# Altium PCB OAI_KPA_Digital_part.PcbDoc (part 1 of 3)
Units mil, origin at the board's own origin, x right, y up, seen from the top; angles counter-clockwise.
Board outline 5906.35 x 2551.18 mil, 4 copper layers (Top Layer, Mid-Layer 1, Internal Plane 2, Bottom Layer); 133 components, 173 nets, 617 pads, 278 vias.
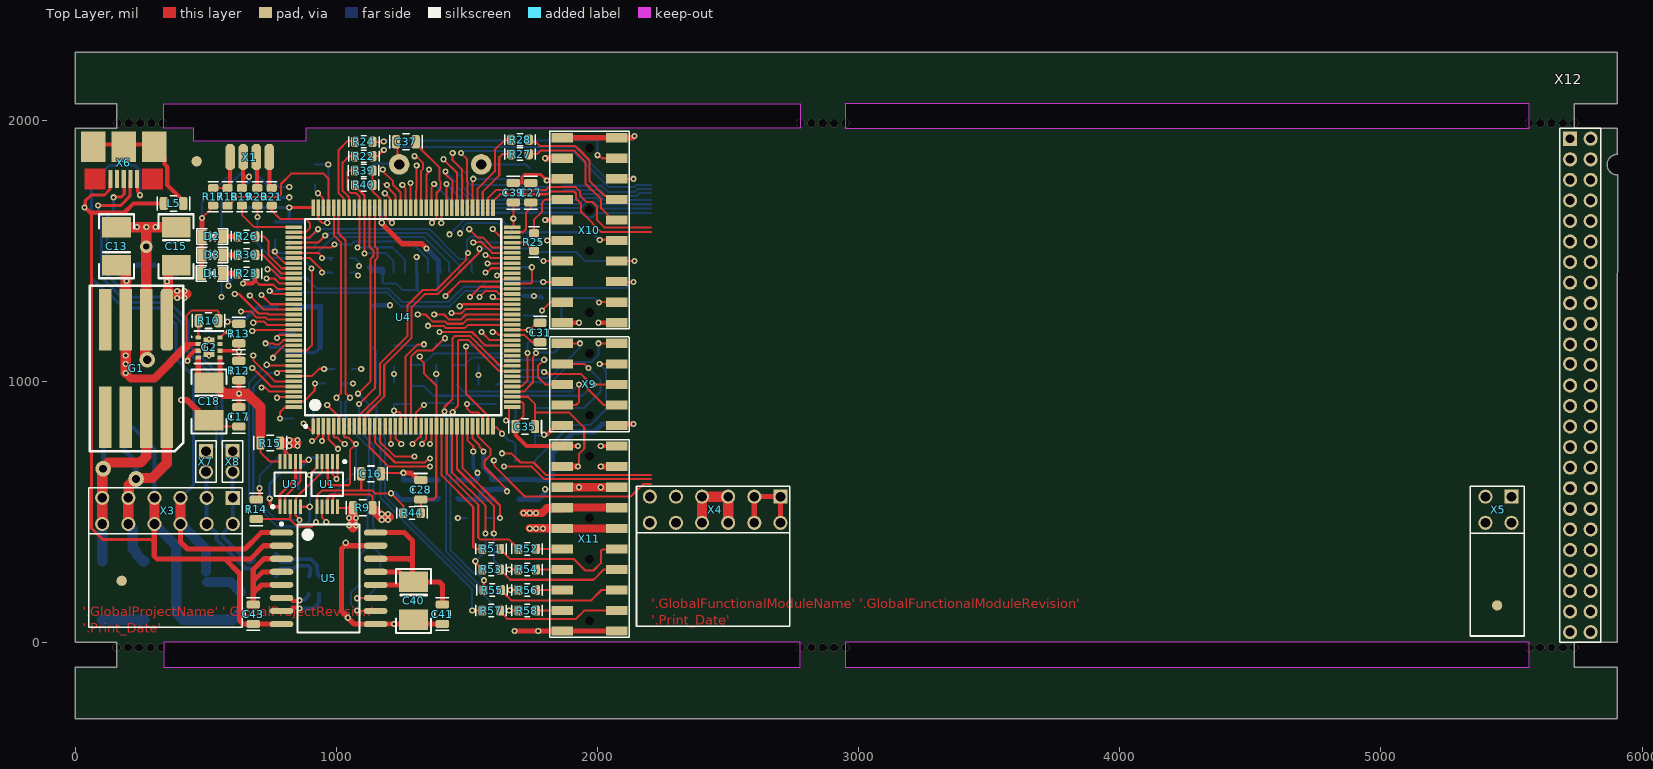
[diagram p0: Top Layer view]
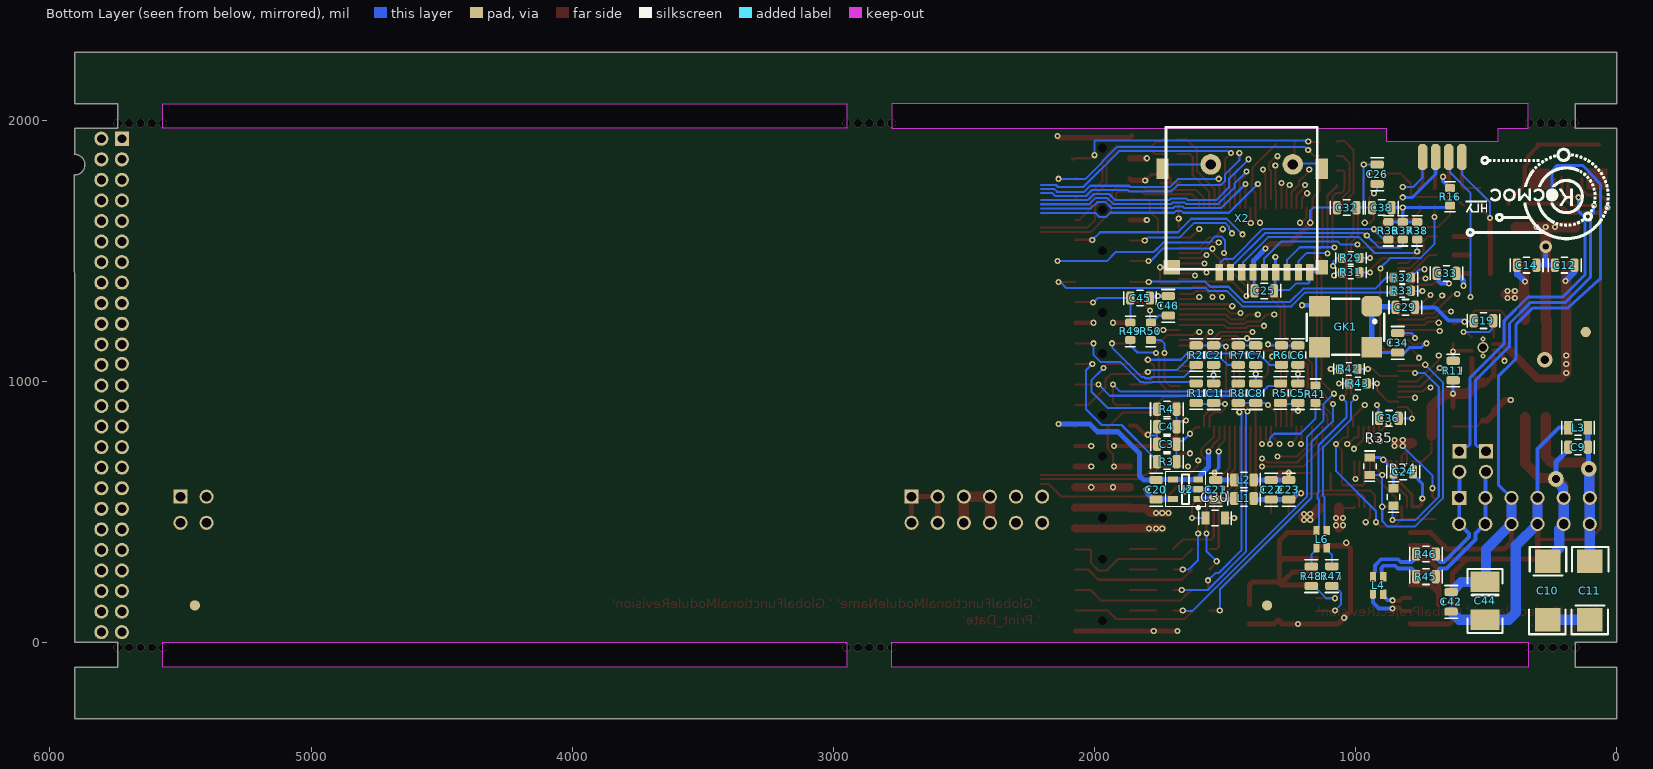
[diagram p1: Bottom Layer view, seen from below]
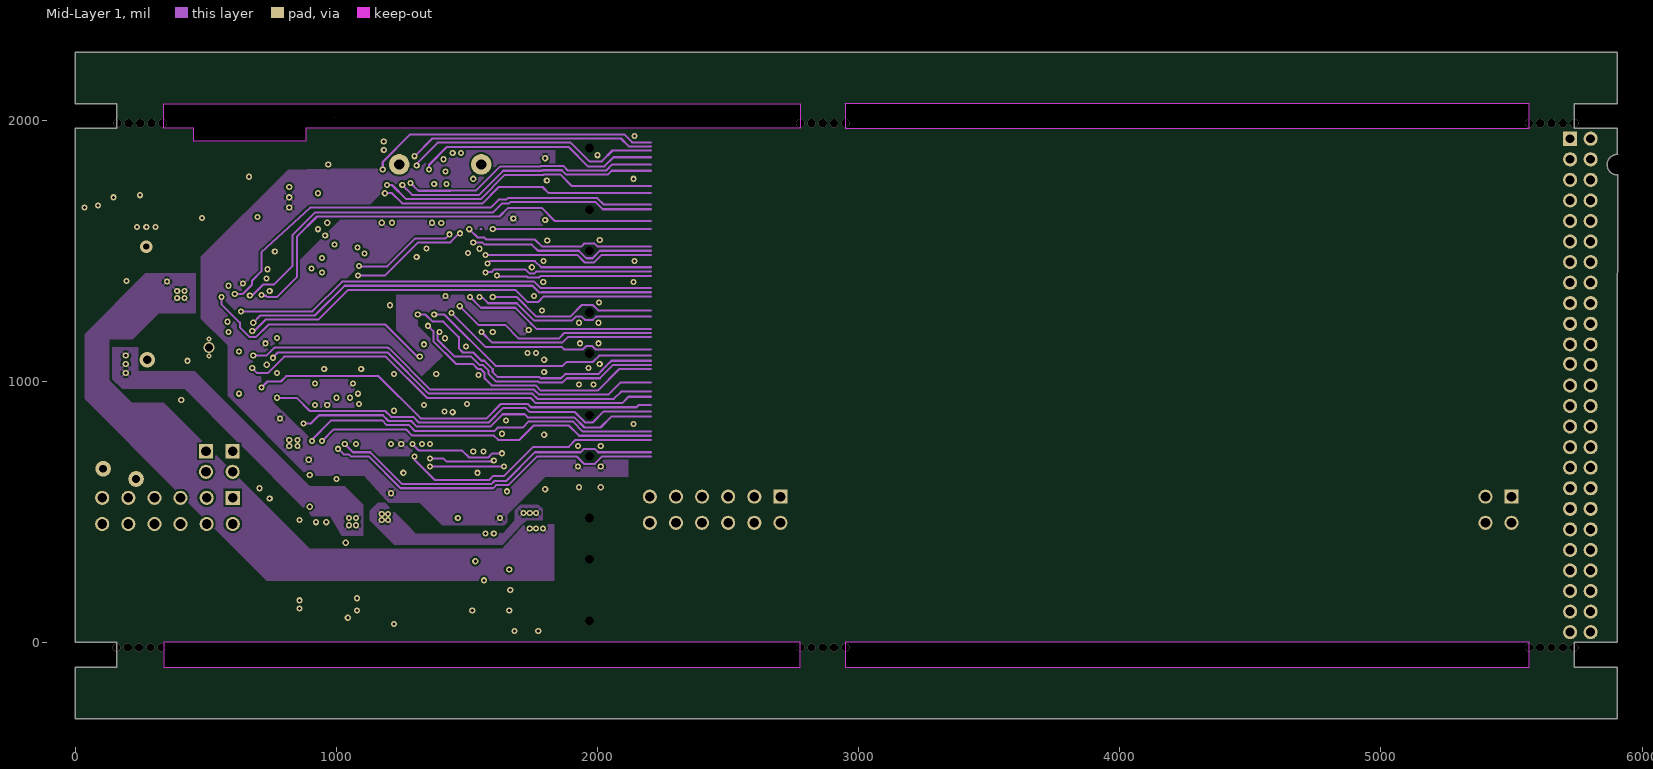
[diagram p2: Mid-Layer 1]
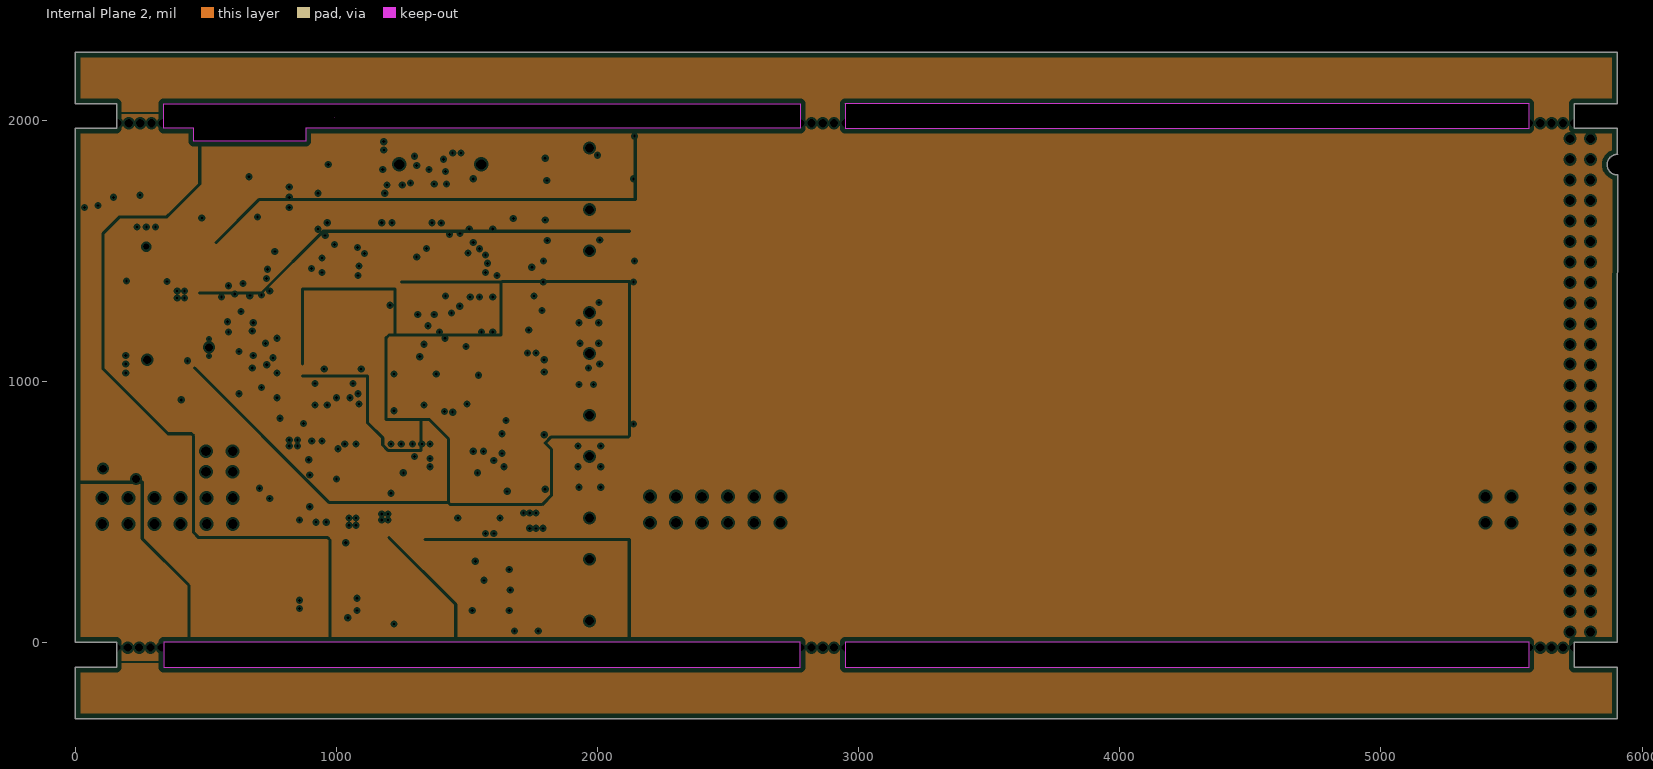
[diagram p3: Internal Plane 2, clearances drawn from the general rule]
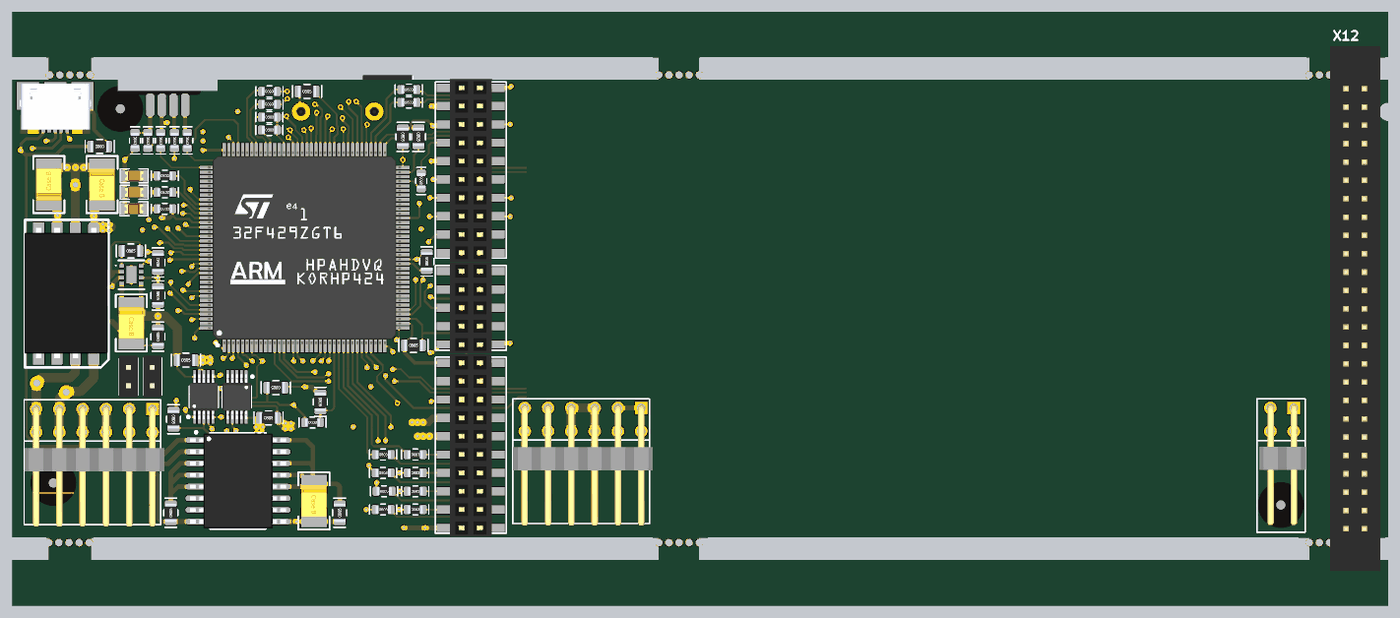
[diagram p6: 3D render of the assembled board from above, using the file's embedded part models]
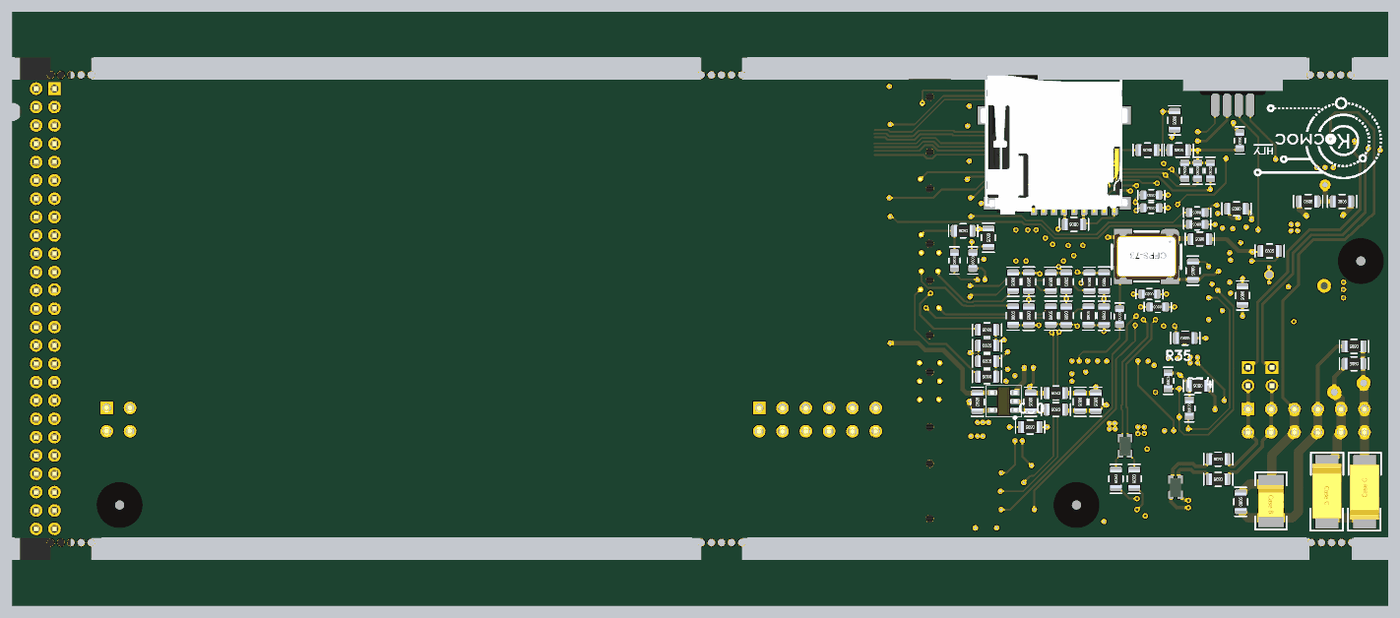
[diagram p7: 3D render of the assembled board from below, using the file's embedded part models]

## Layer stack, top to bottom
Top Solder: solder mask 0.4, Solder Resist, Dk 3.5
Top Layer: signal copper 1.4
Dielectric 1: dielectric 12.6, FR-4, Dk 4.8
Mid-Layer 1: signal copper 1.4
Dielectric3: dielectric 12.6, FR-4, Dk 4.8
Internal Plane 2: plane copper 1.4
Dielectric2: dielectric 12.6, FR-4, Dk 4.8
Bottom Layer: signal copper 1.4
Bottom Solder: solder mask 0.4, Solder Resist, Dk 3.5

## Board outline
0,-291.34 0,-94.49 157.48,-94.49 157.48,0 0,0 0,1968.5 157.48,1968.5 157.48,2062.99 0,2062.99 0,2064.63 0,2259.84 5905.51,2259.84 5905.51,2062.99 5740.16,2062.99 5740.16,1968.5 5748.03,1968.5 5905.51,1968.5 5905.51,1870.02 5906.35,1869.18 ccw(c5905.2,1829.83) 5906.01,1790.47 5905.51,1039.87 5905.51,0 5740.16,0 5740.16,-94.49 5905.51,-94.49 5905.51,-291.34
cut-out: 992.13,2011.81
cut-out: 338.58,2062.99 2775.59,2062.99 2775.59,1968.5 882.76,1968.5 882.76,1918.5 452.76,1918.5 452.76,1968.5 338.58,1968.5
cut-out: 2944.88,2062.99
cut-out: 2948.82,2062.99 2948.82,1968.5 5566.93,1968.5 5566.93,2062.99
cut-out: 338.58,-94.49 2775.59,-94.49 2775.59,0 338.58,0
cut-out: 2948.82,0 2948.82,-94.49 5566.93,-94.49 5566.93,0
cut-out: 5566.93,0

## Design rules (kind name [scope] priority, off if disabled: settings)
Clearance "Clearance ALL" [All] p1: gap=7.87 ignorepadtopadclearanceinfootprint=TRUE
ComponentClearance [All] p1: gap=2 collisioncheckmode=3 verticalgap=2 showdistances=FALSE
DiffPairsRouting [All] p1: maxlimit=118.11 minlimit=7.87 mostfreqgap=9.84 toplayer_minwidth=7.87 toplayer_maxwidth=39.37 toplayer_prefwidth=9.84 midlayer1_minwidth=7.87 midlayer1_maxwidth=39.37 midlayer1_prefwidth=9.84 bottomlayer_minwidth=7.87 bottomlayer_maxwidth=39.37 bottomlayer_prefwidth=9.84 maxuncoupledlength=500
MatchedLengths [InDifferentialPair('No Differential Pair')] p1: tolerance=19.68 checknetsindiffpair=TRUE checkdiffpairvsdiffpair=FALSE checkxsignals=FALSE checkothers=FALSE usedelayunits=FALSE
PlaneClearance [All] p1: clearance=7.87
PlaneConnect [All] p1: planeconnectstyle=Relief reliefexpansion=20 reliefentries=4 reliefconductorwidth=10 reliefairgap=10
PolygonConnect [All] p1: thpad.connectstyle=Relief thpad.reliefconductorwidth=7.87 thpad.reliefentries=4 thpad.polygonreliefangle="90 Angle" thpad.airgapwidth=7.87 smdpad.connectstyle=Relief smdpad.reliefconductorwidth=7.87 smdpad.reliefentries=4 smdpad.polygonreliefangle="45 Angle" smdpad.airgapwidth=7.87 via.connectstyle=Relief via.reliefconductorwidth=7.87 via.reliefentries=4 via.polygonreliefangle="45 Angle" via.airgapwidth=7.87
RoutingVias [All] p1: holewidth=11.81 width=23.62 viastyle="Through Hole" minholewidth=11.81 minwidth=23.62 maxholewidth=39.37 maxwidth=118.11
SolderMaskExpansion [All] p1: expansion=4
Width [All] p1: maxlimit=39.37 minlimit=7.87 preferedwidth=7.87 minimp=50.000000 maximp=50.000000 favimp=50.000000
26 further rules are at their usual default settings.

## Classes and differential pairs
component class USB: C40 C41 C42 C43 C44 L4 L5 L6 R45 R46 R47 R48 U5 X6 X7 X8
component class Power: C9 C10 C11 C12 C13 C14 C15 C16 C17 C18 C19 C20 C21 C22 C23 C24 G1 G2 L1 L2 R9 R10 R11 R12 R13 R14 R15 U1 U2 U3
component class Module_main: X4 X5 X9 X10 X11
component class Digital_module: C25 C26 C27 C28 C29 C30 C31 C32 C33 C34 C35 C36 C37 C38 C39 D1 D2 D3 GK1 L3 R16 R17 R18 R19 R20 R21 R22 R23 R24 R25 R26 R27 R28 R29 R30 R31 R32 R33 R34 R35 R36 R37 R38 R39 R40 R41 R42 R43 R44 U4 X1 X2 X3
component class Device_unit: X12
component class Designator: R51 R52 R53 R54 R55 R56 R57 R58
component class DAC_Filter: C45 C46 R49 R50
component class ADC_Filter: C1 C2 C3 C4 C5 C6 C7 C8 R1 R2 R3 R4 R5 R6 R7 R8
differential pair Out_D_M2: +Out_D_M2_P -Out_D_M2_N
differential pair Out_D_M1: +Out_D_M1_P -Out_D_M1_N
differential pair Out_D_2: +Out_D_2_P -Out_D_2_N
differential pair Out_D_1_MB: +Out_D_1_MB_P -Out_D_1_MB_N
differential pair D_IN_3: +D_IN_3_P -D_IN_3_N
differential pair D_IN_2: +D_IN_2_P -D_IN_2_N
differential pair D_IN_1: +D_IN_1_P -D_IN_1_N

## Components (designator, comment, footprint, x,y, rotation, side; value= is the part's Value field where it differs from the comment)
C1 "200пФ" SMD_0805#1 1543.31,992.13 r270 bottom value=0,1мкФ
C2 "200пФ" SMD_0805#1 1543.31,1062.99 r90 bottom value=0,1мкФ
C3 "200пФ" SMD_0805#1 1759.84,759.43 r180 bottom value=0,1мкФ
C4 "200пФ" SMD_0805#1 1759.84,826.36 r180 bottom value=0,1мкФ
C5 "200пФ" SMD_0805#1 1220.47,992.13 r270 bottom value=0,1мкФ
C6 "200пФ" SMD_0805#1 1220.47,1062.99 r90 bottom value=0,1мкФ
C7 "200пФ" SMD_0805#1 1381.89,1062.99 r90 bottom value=0,1мкФ
C8 "200пФ" SMD_0805#1 1381.89,992.13 r270 bottom value=0,1мкФ
C9 "0,1мкФ" SMD_0805#1 110.24,748.03 r0 bottom
C10 "10мкФх50В" SMD_size_C 263.78,311.02 r270 bottom
C11 "10мкФх50В" SMD_size_C 102.36,86.61 r90 bottom
C12 "0,22мкФ" SMD_0805#1 236.22,1444.88 r180 bottom value=0,1мкФ
C13 "10мкФ 16В" SMD_size_B 157.48,1444.88 r90 top value=10мкФх50В
C14 "0,22мкФ" SMD_0805#1 381.89,1444.88 r180 bottom value=0,1мкФ
C15 "10мкФ 16В" SMD_size_B 385.83,1589.88 r270 top value=10мкФх50В
C16 "0,22мкФ" SMD_0805#1 1169.29,645.67 r180 top value=0,1мкФ
C17 "0,1мкФ" SMD_0805#1 625.98,826.77 r90 top
C18 "10мкФ 16В" SMD_size_B 511.81,995.39 r270 top value=10мкФх50В
C19 "0,22мкФ" SMD_0805#1 547.24,1232.28 r180 bottom value=0,1мкФ
C20 "0,1мкФ" SMD_0805#1 1763.78,547.24 r90 bottom
C21 "0,1мкФ" SMD_0805#1 1535.43,622.24 r270 bottom
C22 "10мкФ" SMD_0805#1 1322.83,622.24 r270 bottom value=0,1мкФ
C23 "0,1мкФ" SMD_0805#1 1255.91,622.24 r270 bottom
C24 "0,22мкФ" SMD_0805#1 779.53,653.54 r0 bottom value=0,1мкФ
C25 "0,1мкФ" SMD_0805#1 1311.89,1346.46 r0 bottom
C26 "10мкФ" SMD_0805#1 917.32,1830.71 r270 bottom value=0,1мкФ
C27 "10мкФ" SMD_0805#1 1744.09,1759.84 r270 top value=0,1мкФ
C28 "0,1мкФ" SMD_0805#1 1322.83,622.05 r270 top
C29 "0,1мкФ" SMD_0805#1 771.65,1283.46 r0 bottom
C30 "0,1мкФ" SMD_0805#2 1500,476.38 r0 bottom
C31 "0,1мкФ" SMD_0805#1 1779.53,1149.61 r90 top
C32 "0,1мкФ" SMD_0805#1 996.06,1665.35 r0 bottom
C33 "0,1мкФ" SMD_0805#1 614.17,1413.39 r0 bottom
C34 "0,1мкФ" SMD_0805#1 838.58,1185.04 r270 bottom
C35 "0,1мкФ" SMD_0805#1 1685.04,826.77 r0 top
C36 "0,1мкФ" SMD_0805#1 909.45,858.27 r180 bottom
C37 "0,1мкФ" SMD_0805#1 1228.35,1917.32 r0 top
C38 "0,1мкФ" SMD_0805#1 937.01,1665.35 r180 bottom
C39 "0,1мкФ" SMD_0805#1 1677.17,1759.84 r270 top
C40 "10мкФ 16В" SMD_size_B 1295.28,231.61 r270 top value=10мкФх50В
C41 "0,1мкФ" SMD_0805#1 1405.51,70.87 r90 top
C42 "0,1мкФ" SMD_0805#1 633.86,118.11 r90 bottom
C43 "0,1мкФ" SMD_0805#1 681.1,70.87 r90 top
C44 "10мкФ 16В" SMD_size_B 503.94,231.61 r270 bottom value=10мкФх50В
C45 "200пФ" SMD_0805#1 1787.4,1318.9 r0 bottom value=0,1мкФ
C46 "200пФ" SMD_0805#1 1716.54,1326.77 r270 bottom value=0,1мкФ
D1 "LED" LED-0805 562.99,1413.39 r180 top value=red
D2 "LED" LED-0805 564.25,1555.12 r180 top value=green
D3 "LED" LED-0805 564.25,1484.25 r180 top value=yellow
G1 "TDN 5-4821" TDN_5_WISM 350.39,862.2 r90 top
G2 "TPS82130" uSiL-8 470.47,1168.31 r0 top
GK1 "GK108-P" SMD_7050_Crystal_Oscillator 937.8,1287.4 r0 bottom
L1 "1мкГн" SMD_0805#1 1389.76,551.38 r0 bottom
L2 "1мкГн" SMD_0805#1 1389.76,622.24 r0 bottom
L3 "1мкГн" SMD_0805#2 110.24,822.83 r0 bottom
L4 "65Ом, 100 МГц" ACM2012 933.07,185.04 r90 bottom value="20мкГн, 8,5мОм"
L5 "1мкГн" SMD_0805#1 413.39,1681.1 r180 top
L6 "65Ом, 100 МГц" ACM2012 1149.61,362.2 r90 bottom value="20мкГн, 8,5мОм"
R1 "1к" SMD_0805#1 1610.24,917.32 r90 bottom
R2 "1к" SMD_0805#1 1610.24,1137.8 r270 bottom
R3 "1к" SMD_0805#1 1685.04,692.5 r0 bottom
R4 "1к" SMD_0805#1 1685.04,893.7 r0 bottom
R5 "1к" SMD_0805#1 1287.4,917.32 r90 bottom
R6 "1к" SMD_0805#1 1283.46,1137.8 r270 bottom
R7 "1к" SMD_0805#1 1448.82,1137.8 r270 bottom
R8 "1к" SMD_0805#1 1448.82,917.32 r90 bottom
R9 "0,2 Ом" SMD_0805#1 1062.99,515.75 r0 top value=1к
R10 "11 кОм" SMD_0805#1 472.44,1232.28 r0 top value=1к
R11 "33кОм" SMD_0805#1 625.98,1078.74 r270 bottom value=1к
R12 "15кОм" SMD_0805#1 625.98,1078.74 r270 top value=1к
R13 "3к3" SMD_0805#1 625.98,1220.47 r270 top value=1к
R14 "11 кОм" SMD_0805#1 692.91,547.24 r270 top value=1к
R15 "0,2 Ом" SMD_0805#1 708.66,763.78 r0 top value=1к
R16 "2K" SMD_0603#1 637.8,1740.16 r270 bottom value=1к
R17 "2K" SMD_0603#1 527.56,1740.16 r270 top value=1к
R18 "100" SMD_0603#1 582.68,1740.16 r270 top value=1к
R19 "100" SMD_0603#1 637.8,1740.16 r270 top value=1к
R20 "100" SMD_0603#1 696.85,1740.16 r270 top value=1к
R21 "100" SMD_0603#1 751.97,1740.16 r270 top value=1к
R22 "1к" SMD_0603#1 1137.8,1862.2 r180 top
R23 "13к" SMD_0603#1 622.05,1413.39 r0 top value=1к
R24 "1к" SMD_0603#1 1137.8,1917.32 r180 top
R25 "1к" SMD_0603#1 1755.91,1500 r90 top
R26 "13к" SMD_0603#1 622.05,1555.12 r0 top value=1к
R27 "1к" SMD_0603#1 1669.29,1870.08 r0 top
R28 "1к" SMD_0603#1 1669.29,1925.2 r0 top
R29 "1к" SMD_0603#1 984.25,1472.44 r0 bottom
R30 "13к" SMD_0603#1 622.05,1484.25 r0 top value=1к
R31 "1к" SMD_0603#1 984.25,1417.32 r0 bottom
R32 "1к" SMD_0603#1 787.4,1397.64 r0 bottom
R33 "1к" SMD_0603#1 787.4,1346.46 r0 bottom
R34 "10к" SMD_0603#2 854.33,523.62 r90 bottom value=1к
R35 "10к" SMD_0603#2 944.88,641.73 r90 bottom value=1к
R36 "10к" SMD_0603#1 874.02,1543.31 r90 bottom value=1к
R37 "10к" SMD_0603#1 818.9,1543.31 r90 bottom value=1к
R38 "10к" SMD_0603#1 763.78,1543.31 r90 bottom value=1к
R39 "10к" SMD_0603#1 1070.87,1807.09 r0 top value=1к
R40 "10к" SMD_0603#1 1070.87,1751.97 r0 top value=1к
R41 "27" SMD_0603#1 1153.54,917.32 r90 bottom value=1к
R42 "1к" SMD_0603#1 992.13,1047.24 r0 bottom
R43 "10к" SMD_0603#1 956.69,992.13 r0 bottom value=1к
R44 "10к" SMD_0603#1 1255.91,496.06 r0 top value=1к
R45 "27" SMD_0805#1 692.91,251.97 r0 bottom value=1к
R46 "27" SMD_0805#1 692.91,338.58 r0 bottom value=1к
R47 "27" SMD_0805#1 1090.55,291.34 r270 bottom value=1к
R48 "27" SMD_0805#1 1169.29,291.34 r270 bottom value=1к
R49 "1к" SMD_0603#1 1862.2,1158.07 r90 bottom
R50 "1к" SMD_0603#1 1783.46,1158.07 r90 bottom